# Altium PCB Lighting_Control_Board.PcbDoc (part 2 of 2)
Units mm, origin at the board's own origin, x right, y up, seen from the top; angles counter-clockwise.
Board outline 50 x 150 mm, 4 copper layers (L1, L2, L3, L4), stack 1.586 mm thick; 193 components, 123 nets, 576 pads, 813 vias.
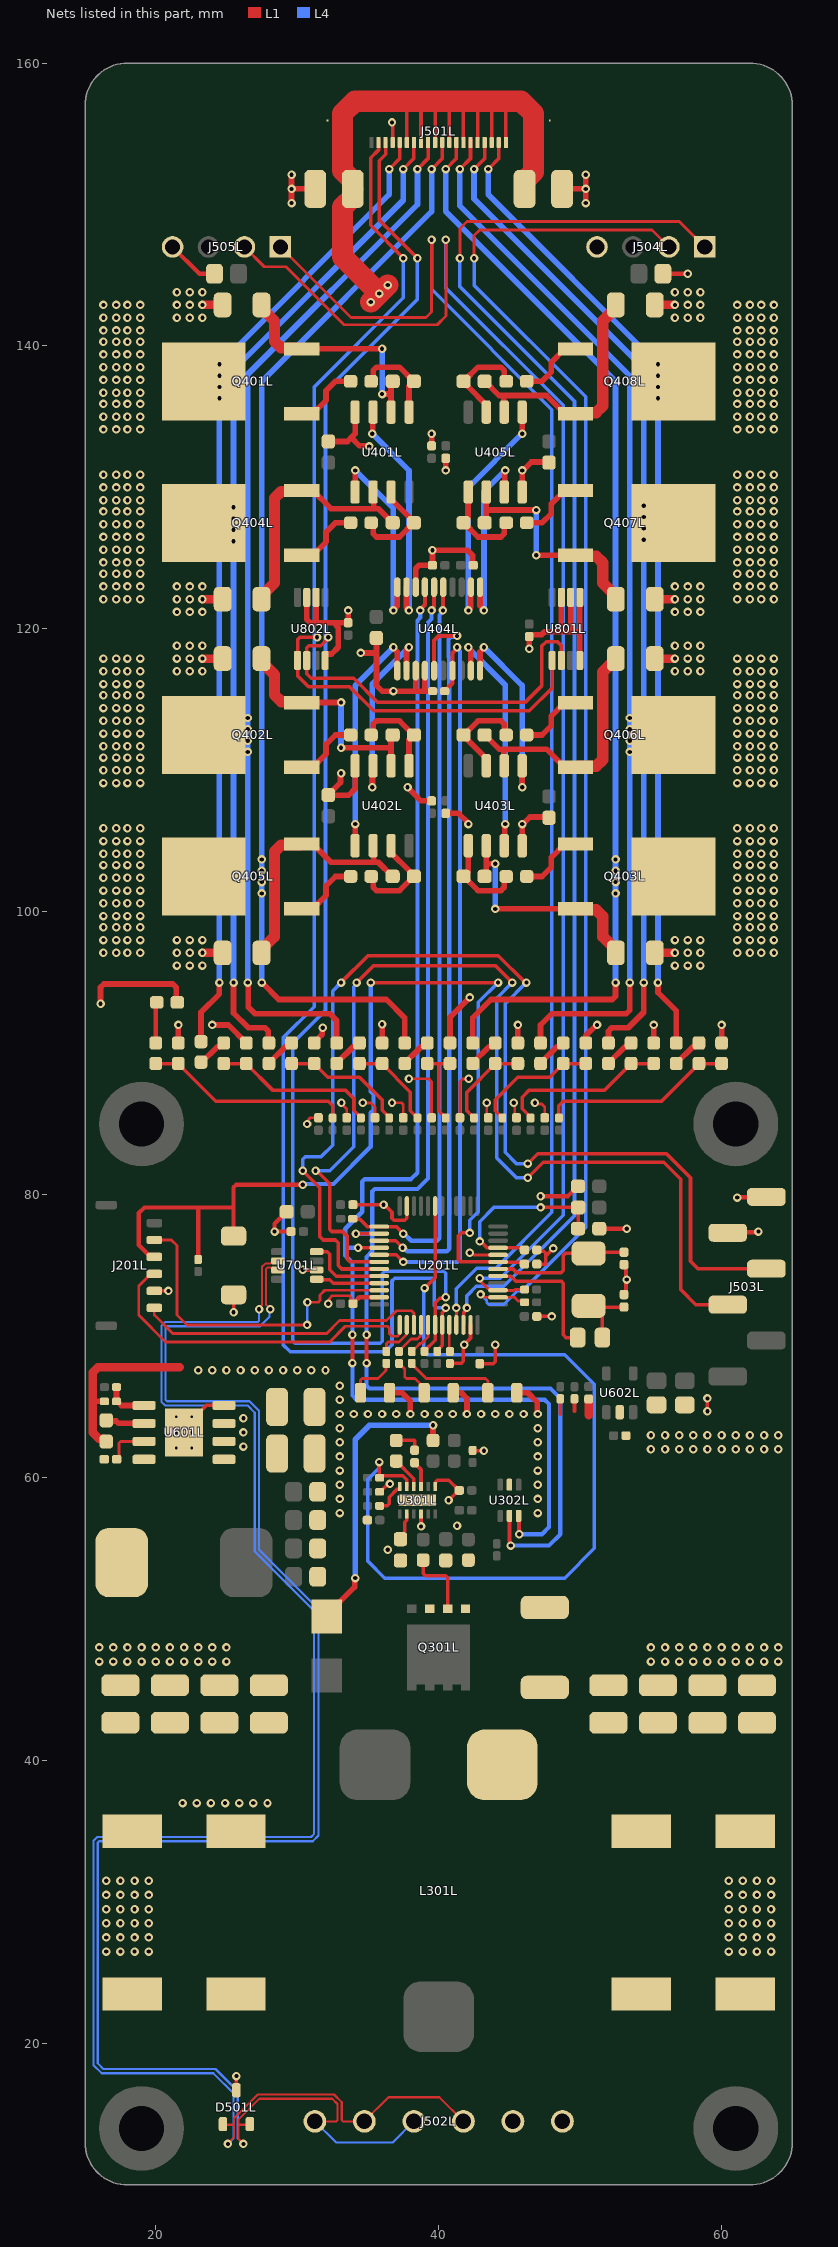
[diagram p4: the nets of this part, all layers, seen from the top]

## Via types
v1: diameter 0.6, hole 0.3, L1 to L4, tented both sides, 807 vias
v2: diameter 0.5, hole 0.2, L1 to L4, 6 vias

## Nets (pads, with @x,y where several pads share a name; then routed paths per layer and width w, separated by ;. In a path a pad name is that pad's centre, name@x,y a point inside that pad or via, vN(x,y) a via of type N, cw(c..) or ccw(c..) an arc to the next point about the centre after c; other vN are vias at no path point) (continued)
Boost_MOSI: U201L.28 U302L.3 U404L.7 | length 90.4
  L1 w0.25: v1(34.3,76.25) U201L.28@35.8,76.25
  L1 w0.3: v1(33.9,68.1) v1(33.9,70.1) ; v1(38.7,121.3) 38.7,121.381 39.025,121.706 U404L.7@39.025,122.95 ; U302L.3@45.65,57.3 45.675,57.275 45.675,56.025 v1(45.7,56)
  L4 w0.3: 33.4,76.254 33.404,76.25 33.6,76.25 ; 33.672,76.25 v1(34.3,76.25) ; v1(33.9,68.1) 33.9,65.8 34.2,65.5 47.5,65.5 47.8,65.2 47.8,56.5 47.3,56 v1(45.7,56) ; v1(33.9,70.1) 33.9,75.2 33.4,75.7 33.4,76.25 33.4,77.6 34.6,78.8 34.6,80.924 34.776,81.1 38.05,81.1 38.5,81.55 38.5,120.6 38.7,120.8 v1(38.7,121.3)
Boost_NMOS_Source: Q301L.1 Q301L.2 Q301L.3 R302L.2 R308L.2 | length 5
  L1 w0.25: R302L.2@38.9,54.175 38.925,54.15 38.925,53.211 39.071,53.065 40.489,53.065 40.635,52.919 Q301L.2@40.635,50.735
Boost_P\G\O\O\D\: R309L.1 U201L.19 U301L.11 | length 63.6
  L1 w0.25: v1(35.8,61.1) 35.813,61.087 35.813,60.1 35.813,60.012 R309L.1@35.825,60 35.954,60.129 37.471,60.129 37.75,59.85 U301L.11@37.75,59.37 ; v1(39,73.4) 39.75,74.15 U201L.19@39.75,79.2
  L4 w0.25: v1(35.8,61.1) 35.8,60.7 35,59.9 35,54.1 36.2,52.9 48.9,52.9 51,55 51,66.6 48.9,68.7 39.2,68.7 38.95,68.95 38.95,73.35 v1(39,73.4)
Boost_RT: R306L.2 U301L.10 | length 2.7
  L1 w0.25: R306L.2@36.725,60.9 R306L.2@37,61.175 ; R306L.2@37,61.15 R306L.2@37,61.175 ; U301L.10@38.25,59.37 38.25,59.925 R306L.2@37,61.175
Boost_SCLK: U201L.26 U302L.2 U404L.6 | length 92.7
  L1 w0.25: v1(34.15,77.25) U201L.26@35.8,77.25
  L1 w0.3: v1(34.9,68.1) v1(34.9,70.1) ; v1(39.5,121.3) 39.5,121.381 39.675,121.556 U404L.6@39.675,122.95 ; U302L.2@45,57.3 45,55.381 45.1,55.281 v1(45.1,55.2)
  L4 w0.3: v1(34.15,77.25) 35.124,77.25 35.3,77.426 ; v1(34.9,68.1) 34.9,66.5 35.1,66.3 47.9,66.3 48.6,65.6 48.6,56 47.8,55.2 v1(45.1,55.2) ; v1(34.9,70.1) 34.9,75.6 35.3,76 35.3,77.426 ; v1(39.5,121.3) 39.5,120.7 39.25,120.45 39.25,81.15 38.5,80.4 35.476,80.4 35.3,80.224 35.3,77.426
Boost_SS: C309L.2 U301L.9 | length 1.9
  L1 w0.25: C309L.2@38.3,61.06 38.3,61.024 38.75,60.574 U301L.9@38.75,59.37
Boost_UVLO: R301L.1 U301L.12 | length 2.4
  L1 w0.25: R301L.1@35.825,58 35.846,58.021 36.354,58.021 36.5,58.168 36.5,58.62 37.05,59.17 37.25,59.17 U301L.12@37.25,59.37
Boost_VCC: C310L.2 U301L.2 | length 2
  L1 w0.25: C310L.2@37.3,55.65 37.581,55.931 37.581,56.152 37.6,56.171 37.6,56.84 37.75,56.99 U301L.2@37.75,57.43
Boost_VSENSE: R211L.1 R311L.1 R313L.2 | length 14.6
  L1 w0.25: R311L.1@20,89.275 R313L.2@21.6,89.275 21.6,89.25 24.25,86.6 32.2,86.6 32.5,86.3 R211L.1@32.5,85.425
Boost_VSENSE_RDIV: R310L.1 R311L.2 | length 2.9
  L1 w0.2: R310L.1@20,93.525 R310L.1@20.075,93.6
  L1 w0.3: R311L.2@20,90.725 R310L.1@20,93.525
CAN_N: D501L.1 J502L.2 J502L.4 U701L.6 | length 124.9
  L1 w0.15: D501L.1@24.738,14.262 25.451,14.262 ; v1(25.1,12.9) 25.1,12.967 25.538,13.405 25.538,14.174 25.451,14.262 ; v1(27.3,71.9) 27.3,72.013 27.5,72.213 27.5,74.886 27.764,75.15 28.13,75.15 28.161,75.181 28.481,75.181 U701L.6@28.625,75.325 ; J502L.4@41.75,14.5 40.05,16.2 36.45,16.2 J502L.2@34.75,14.5 33.238,14.5 33.15,14.588 33.15,15.85 32.6,16.4 27.2,16.4 25.538,14.738 25.538,14.349 25.451,14.262
  L1 w0.2: U701L.6@28.588,75.363 U701L.6@28.625,75.325
  L4 w0.15: v1(25.1,12.9) 25.5,13.3 25.5,16.475 24.075,17.9 16.176,17.9 15.6,18.476 15.6,34.336 15.864,34.6 30.976,34.6 31.2,34.824 31.2,50.576 27,54.776 27,64.6 26.5,65.1 20.664,65.1 20.4,65.364 20.4,70.736 20.664,71 27.212,71 27.3,71.088 v1(27.3,71.9)
CAN_P: D501L.2 J502L.1 J502L.3 U701L.7 | length 123.5
  L1 w0.15: v1(26.2,12.9) 26.2,12.919 25.838,13.281 25.838,14.174 25.926,14.262 ; D501L.2@26.638,14.262 25.926,14.262 ; v1(28.1,71.9) 28.1,71.926 27.8,72.226 27.8,74.762 27.888,74.85 28.13,74.85 28.161,74.819 28.481,74.819 U701L.7@28.625,74.675 ; J502L.1@31.25,14.5 32.762,14.5 32.85,14.588 32.85,15.726 32.476,16.1 27.324,16.1 25.838,14.614 25.838,14.349 25.926,14.262
  L1 w0.2: U701L.7@28.588,74.638 U701L.7@28.625,74.675
  L4 w0.15: v1(26.2,12.9) 25.8,13.3 25.8,16.623 25.465,16.958 24.223,18.2 16.3,18.2 15.9,18.6 15.9,34.212 15.988,34.3 31.1,34.3 31.5,34.7 31.5,50.7 27.3,54.9 27.3,64.724 26.624,65.4 20.788,65.4 20.7,65.488 20.7,70.612 20.788,70.7 27.367,70.7 28.042,71.375 28.042,71.842 v1(28.1,71.9) ; J502L.1@31.25,14.5 32.75,13 36.75,13 J502L.3@38.25,14.5 J502L.3@38.2,14.5
CAN_RX: U201L.32 U701L.4 | length 5.8
  L1 w0.25: U701L.4@31.375,75.975 32.125,75.975 32.3,75.8 32.3,74.7 32.75,74.25 U201L.32@35.8,74.25
CAN_TX: U201L.33 U701L.1 | length 4.5
  L1 w0.25: U701L.1@31.375,74.025 31.4,74 32.3,74 32.55,73.75 U201L.33@35.8,73.75
CC_Control_1: U401L.3 U404L.9 | length 16.7
  L1 w0.4: v1@35.332,133.832 U401L.3@35.332,135.293 ; U404L.9@37.725,122.95 37.725,121.529 v1@37.9,121.354
  L4 w0.4: v1(35.3,133.8) 37.9,131.2 v1(37.9,121.3)
CC_Control_2: U401L.5 U404L.10 | length 14.2
  L1 w0.4: U401L.5@34.098,129.678 v1@34.098,131.197 ; v1@36.8,121.354 37.075,121.629 U404L.10@37.075,122.95
  L4 w0.4: v1(34.1,131.2) 36.8,128.5 v1(36.8,121.3)
CC_Control_3: U402L.3 U404L.12 | length 14.1
  L1 w0.4: v1@35.332,108.833 U402L.3@35.332,110.293 ; U404L.12@37.725,117.05 37.725,118.471 v1@37.9,118.646
  L4 w0.4: v1(35.3,108.8) 35.3,116.1 v1(37.9,118.7)
CC_Control_4: U402L.5 U404L.11 | length 16.8
  L1 w0.4: U402L.5@34.098,104.678 v1@34.098,106.198 ; v1@36.8,118.646 37.075,118.371 U404L.11@37.075,117.05
  L4 w0.4: v1(34.1,106.2) 34.1,116 v1(36.8,118.7)
CC_Control_5: U403L.3 U404L.19 | length 16.8
  L1 w0.4: v1(42.1,118.7) 42.1,118.646 42.275,118.471 U404L.19@42.275,117.05 ; U403L.3@44.668,104.707 v1@44.668,106.168
  L4 w0.4: v1(42.1,118.7) 42.1,118.646 44.7,116.046 v1(44.7,106.2)
CC_Control_6: U403L.5 U404L.20 | length 14.3
  L1 w0.4: U404L.20@42.925,117.05 42.925,118.371 43.2,118.646 v1(43.2,118.7) ; v1@45.902,108.803 U403L.5@45.902,110.322
  L4 w0.4: v1(43.2,118.7) 45.9,116 v1(45.9,108.8)
CC_Control_7: U404L.1 U405L.3 | length 13.8
  L1 w0.4: U404L.1@42.925,122.95 42.925,121.629 43.2,121.354 v1(43.2,121.3) ; U405L.3@44.635,129.675 44.668,129.707 44.668,131.167 v1(44.7,131.2)
  L4 w0.4: v1(43.2,121.3) 43.2,129.7 v1(44.7,131.2)
CC_Control_8: U404L.2 U405L.5 | length 17.3
  L1 w0.4: v1(42.1,121.3) 42.1,121.354 42.275,121.529 U404L.2@42.275,122.95 ; v1(45.9,133.8) 45.902,133.802 45.902,135.322 U405L.5@45.905,135.325
  L4 w0.4: v1(42.1,121.3) 42.1,130 v1(45.9,133.8)
CC_DRAIN_1: J501L.16 Q401L.2 R401L.2 | length 69.7
  L1 w0.25: v1(36.5,152.5) 37.25,153.25 J501L.16@37.25,154.6
  L1 w0.4: R401L.2@23.2,90.725 23.2,92.9 24.5,94.2 v1(24.5,95)
  L4 w0.4: v1(24.5,95) v1(24.5,136.3) v1(24.5,137.1) v1(24.5,137.9) v1(24.5,138.7) 36.5,150.7 v1(36.5,152.5)
  other v1: 16.3,134.1 17.2,134.1 18,134.1 18.9,134.1 16.3,135 17.2,135 18,135 18.9,135 16.3,135.9 17.2,135.9 18,135.9 18.9,135.9 16.3,136.7 17.2,136.7 18,136.7 18.9,136.7 16.3,137.6 17.2,137.6 18,137.6 18.9,137.6 16.3,138.5 17.2,138.5 18,138.5 18.9,138.5 16.3,139.4 17.2,139.4 18,139.4 18.9,139.4 16.3,140.3 17.2,140.3 18,140.3 18.9,140.3 16.3,141.1 17.2,141.1 18,141.1 18.9,141.1 16.3,142 17.2,142 18,142 18.9,142 16.3,142.9 17.2,142.9 18,142.9 18.9,142.9
CC_DRAIN_2: J501L.14 Q404L.2 R416L.2 | length 70.9
  L1 w0.25: v1(37.5,152.5) 38.25,153.25 J501L.14@38.25,154.6
  L1 w0.4: v1(25.5,95) 25.5,92.85 26.55,91.8 27.715,91.8 27.949,91.566 27.949,90.776 R416L.2@28,90.725
  L4 w0.4: v1(25.5,95) v1(25.5,126.2) v1(25.5,127) v1(25.5,127.8) v1(25.5,128.6) 25.5,138.3 37.5,150.3 v1(37.5,152.5)
  other v1: 16.3,122.1 17.2,122.1 18,122.1 18.9,122.1 16.3,123 17.2,123 18,123 18.9,123 16.3,123.9 17.2,123.9 18,123.9 18.9,123.9 16.3,124.7 17.2,124.7 18,124.7 18.9,124.7 16.3,125.6 17.2,125.6 18,125.6 18.9,125.6 16.3,126.5 17.2,126.5 18,126.5 18.9,126.5 16.3,127.4 17.2,127.4 18,127.4 18.9,127.4 16.3,128.3 17.2,128.3 18,128.3 18.9,128.3 16.3,129.1 17.2,129.1 18,129.1 18.9,129.1 16.3,130 17.2,130 18,130 18.9,130 16.3,130.9 17.2,130.9 18,130.9 18.9,130.9
CC_DRAIN_3: J501L.12 Q402L.2 R402L.2 | length 74.9
  L1 w0.25: v1(38.5,152.5) 39.25,153.25 J501L.12@39.25,154.6
  L1 w0.4: v1(26.5,95) 26.538,94.962 26.538,93.262 27,92.8 32.3,92.8 32.8,92.3 R402L.2@32.8,90.725
  L4 w0.4: v1(26.5,95) v1(26.5,111.3) v1(26.5,112.1) v1(26.5,112.9) v1(26.5,113.7) 26.5,138 38.5,150 v1(38.5,152.5)
  other v1: 16.3,109.1 17.2,109.1 18,109.1 18.9,109.1 16.3,110 17.2,110 18,110 18.9,110 16.3,110.9 17.2,110.9 18,110.9 18.9,110.9 16.3,111.7 17.2,111.7 18,111.7 18.9,111.7 16.3,112.6 17.2,112.6 18,112.6 18.9,112.6 16.3,113.5 17.2,113.5 18,113.5 18.9,113.5 16.3,114.4 17.2,114.4 18,114.4 18.9,114.4 16.3,115.3 17.2,115.3 18,115.3 18.9,115.3 16.3,116.1 17.2,116.1 18,116.1 18.9,116.1 16.3,117 17.2,117 18,117 18.9,117 16.3,117.9 17.2,117.9 18,117.9 18.9,117.9
CC_DRAIN_4: J501L.10 Q405L.2 R417L.2 | length 77.8
  L1 w0.25: v1(39.5,152.5) 40.25,153.25 J501L.10@40.25,154.6
  L1 w0.4: v1(27.5,95) 28.7,93.8 36.3,93.8 37.6,92.5 R417L.2@37.6,90.725
  L4 w0.4: v1(27.5,95) v1(27.5,101.3) v1(27.5,102.1) v1(27.5,102.9) v1(27.5,103.7) 27.5,137.5 39.5,149.5 v1(39.5,152.5)
  other v1: 16.3,97.1 17.2,97.1 18,97.1 18.9,97.1 16.3,98 17.2,98 18,98 18.9,98 16.3,98.9 17.2,98.9 18,98.9 18.9,98.9 16.3,99.7 17.2,99.7 18,99.7 18.9,99.7 16.3,100.6 17.2,100.6 18,100.6 18.9,100.6 16.3,101.5 17.2,101.5 18,101.5 18.9,101.5 16.3,102.4 17.2,102.4 18,102.4 18.9,102.4 16.3,103.3 17.2,103.3 18,103.3 18.9,103.3 16.3,104.1 17.2,104.1 18,104.1 18.9,104.1 16.3,105 17.2,105 18,105 18.9,105 16.3,105.9 17.2,105.9 18,105.9 18.9,105.9
CC_DRAIN_5: J501L.8 Q403L.2 R403L.2 | length 78.4
  L1 w0.25: v1(40.5,152.5) 41.25,153.25 J501L.8@41.25,154.6
  L1 w0.4: R403L.2@42.4,90.725 42.4,92.5 43.7,93.8 52.266,93.8 52.5,94.034 v1(52.5,95)
  L4 w0.4: v1(40.5,152.5) 40.5,149.5 52.5,137.5 v1(52.5,103.7) v1(52.5,102.9) v1(52.5,102.1) v1(52.5,101.3) v1(52.5,95)
  other v1: 61.1,97.1 62,97.1 62.8,97.1 63.7,97.1 61.1,98 62,98 62.8,98 63.7,98 61.1,98.9 62,98.9 62.8,98.9 63.7,98.9 61.1,99.7 62,99.7 62.8,99.7 63.7,99.7 61.1,100.6 62,100.6 62.8,100.6 63.7,100.6 61.1,101.5 62,101.5 62.8,101.5 63.7,101.5 61.1,102.4 62,102.4 62.8,102.4 63.7,102.4 61.1,103.3 62,103.3 62.8,103.3 63.7,103.3 61.1,104.1 62,104.1 62.8,104.1 63.7,104.1 61.1,105 62,105 62.8,105 63.7,105 61.1,105.9 62,105.9 62.8,105.9 63.7,105.9
CC_DRAIN_6: J501L.6 Q406L.2 R418L.2 | length 74.9
  L1 w0.25: v1(41.5,152.5) 42.25,153.25 J501L.6@42.25,154.6
  L1 w0.4: R418L.2@47.2,90.725 47.2,92 48,92.8 53.266,92.8 53.5,93.034 v1(53.5,95)
  L4 w0.4: v1(41.5,152.5) 41.5,149.9 53.5,137.9 v1(53.5,113.7) v1(53.5,112.9) v1(53.5,112.1) v1(53.5,111.3) v1(53.5,95)
  other v1: 61.1,109.1 62,109.1 62.8,109.1 63.7,109.1 61.1,110 62,110 62.8,110 63.7,110 61.1,110.9 62,110.9 62.8,110.9 63.7,110.9 61.1,111.7 62,111.7 62.8,111.7 63.7,111.7 61.1,112.6 62,112.6 62.8,112.6 63.7,112.6 61.1,113.5 62,113.5 62.8,113.5 63.7,113.5 61.1,114.4 62,114.4 62.8,114.4 63.7,114.4 61.1,115.3 62,115.3 62.8,115.3 63.7,115.3 61.1,116.1 62,116.1 62.8,116.1 63.7,116.1 61.1,117 62,117 62.8,117 63.7,117 61.1,117.9 62,117.9 62.8,117.9 63.7,117.9
CC_DRAIN_7: J501L.4 Q407L.2 R432L.2 | length 70.9
  L1 w0.25: v1(42.5,152.5) 43.25,153.25 J501L.4@43.25,154.6
  L1 w0.4: R432L.2@52,90.725 52,91.566 52.234,91.8 53.4,91.8 54.5,92.9 v1(54.5,95)
  L4 w0.4: v1(42.5,152.5) 42.5,150.4 54.5,138.4 v1(54.5,128.7) v1(54.5,127.9) v1(54.5,127.1) v1(54.5,126.3) v1(54.5,95)
  other v1: 61.1,122.1 62,122.1 62.8,122.1 63.7,122.1 61.1,123 62,123 62.8,123 63.7,123 61.1,123.9 62,123.9 62.8,123.9 63.7,123.9 61.1,124.7 62,124.7 62.8,124.7 63.7,124.7 61.1,125.6 62,125.6 62.8,125.6 63.7,125.6 61.1,126.5 62,126.5 62.8,126.5 63.7,126.5 61.1,127.4 62,127.4 62.8,127.4 63.7,127.4 61.1,128.3 62,128.3 62.8,128.3 63.7,128.3 61.1,129.1 62,129.1 62.8,129.1 63.7,129.1 61.1,130 62,130 62.8,130 63.7,130 61.1,130.9 62,130.9 62.8,130.9 63.7,130.9
CC_DRAIN_8: J501L.2 Q408L.2 R433L.2 | length 69.7
  L1 w0.25: v1(43.5,152.5) 44.25,153.25 J501L.2@44.25,154.6
  L1 w0.4: v1(55.5,95) 55.5,94.3 56.8,93 R433L.2@56.8,90.725
  L4 w0.4: v1(43.5,152.5) 43.5,150.7 v1(55.5,138.7) v1(55.5,137.9) v1(55.5,137.1) v1(55.5,136.3) v1(55.5,95)
  other v1: 61.1,134.1 62,134.1 62.8,134.1 63.7,134.1 61.1,135 62,135 62.8,135 63.7,135 61.1,135.9 62,135.9 62.8,135.9 63.7,135.9 61.1,136.7 62,136.7 62.8,136.7 63.7,136.7 61.1,137.6 62,137.6 62.8,137.6 63.7,137.6 61.1,138.5 62,138.5 62.8,138.5 63.7,138.5 61.1,139.4 62,139.4 62.8,139.4 63.7,139.4 61.1,140.3 62,140.3 62.8,140.3 63.7,140.3 61.1,141.1 62,141.1 62.8,141.1 63.7,141.1 61.1,142 62,142 62.8,142 63.7,142 61.1,142.9 62,142.9 62.8,142.9 63.7,142.9
CC_G_1: Q401L.1 R404L.2 | length 4.8
  L1 w0.4: Q401L.1@30.321,135.214 31.096,135.214 32.033,136.151 32.033,136.833 32.7,137.5 R404L.2@33.775,137.5
CC_G_2: Q404L.1 R419L.2 | length 4.8
  L1 w0.4: Q404L.1@30.321,125.214 31.096,125.214 32.033,126.151 32.033,126.833 32.7,127.5 R419L.2@33.775,127.5
CC_G_3: Q402L.1 R405L.2 | length 4.8
  L1 w0.4: Q402L.1@30.321,110.214 31.096,110.214 32.033,111.151 32.033,111.833 32.7,112.5 R405L.2@33.775,112.5
CC_G_4: Q405L.1 R420L.2 | length 4.8
  L1 w0.4: Q405L.1@30.321,100.214 31.096,100.214 32.033,101.151 32.033,101.833 32.7,102.5 R420L.2@33.775,102.5
CC_G_5: Q403L.1 R406L.2 | length 4.8
  L1 w0.4: R406L.2@46.225,102.5 47.3,102.5 47.967,103.167 47.967,103.849 48.904,104.786 Q403L.1@49.679,104.786
CC_G_6: Q406L.1 R421L.2 | length 4.8
  L1 w0.4: R421L.2@46.225,112.5 47.3,112.5 47.967,113.167 47.967,113.849 48.904,114.786 Q406L.1@49.679,114.786
CC_G_7: Q407L.1 R434L.2 | length 4.8
  L1 w0.4: R434L.2@46.225,127.5 47.3,127.5 47.967,128.167 47.967,128.849 48.904,129.786 Q407L.1@49.679,129.786
CC_G_8: Q408L.1 R435L.2 | length 4.8
  L1 w0.4: R435L.2@46.225,137.5 47.3,137.5 47.967,138.167 47.967,138.849 48.904,139.786 Q408L.1@49.679,139.786
CC_HV_RDIV_1: R401L.1 R407L.2 | length 2.2
  L1 w0.4: R401L.1@23.2,89.275 23.2,89.3 24.365,90.465 24.552,90.465 24.8,90.714 R407L.2@24.8,90.725
CC_HV_RDIV_2: R416L.1 R422L.2 | length 2.2
  L1 w0.4: R416L.1@28,89.275 28,89.3 29.165,90.465 29.352,90.465 29.6,90.714 R422L.2@29.6,90.725
CC_HV_RDIV_3: R402L.1 R408L.2 | length 2.2
  L1 w0.4: R402L.1@32.8,89.275 32.8,89.3 33.965,90.465 34.152,90.465 34.4,90.714 R408L.2@34.4,90.725
CC_HV_RDIV_4: R417L.1 R423L.2 | length 2.2
  L1 w0.4: R417L.1@37.6,89.275 37.6,89.3 38.765,90.465 38.952,90.465 39.2,90.714 R423L.2@39.2,90.725
CC_HV_RDIV_5: R403L.1 R409L.2 | length 2.2
  L1 w0.4: R403L.1@42.4,89.275 42.4,89.3 43.565,90.465 43.752,90.465 44,90.714 R409L.2@44,90.725
CC_HV_RDIV_6: R418L.1 R424L.2 | length 2.2
  L1 w0.4: R418L.1@47.2,89.275 47.2,89.3 48.365,90.465 48.552,90.465 48.8,90.714 R424L.2@48.8,90.725
CC_HV_RDIV_7: R432L.1 R436L.2 | length 2.2
  L1 w0.4: R432L.1@52,89.275 52,89.3 53.165,90.465 53.352,90.465 53.6,90.714 R436L.2@53.6,90.725
CC_HV_RDIV_8: R433L.1 R437L.2 | length 2.2
  L1 w0.4: R433L.1@56.8,89.275 56.8,89.3 57.965,90.465 58.152,90.465 58.4,90.714 R437L.2@58.4,90.725
CC_INV_1: C401L.1 Q401L.3 R410L.2 U401L.2 | length 16.9
  L1 w0.25: C401L.1@36.635,137.385 C401L.1@36.75,137.5
  L1 w0.4: Q401L.3@30.328,139.793 35.993,139.793 v1(36,139.8) ; v1(36,136.6) 36.635,136.6 ; U401L.2@36.635,135.325 36.635,136.6 ; C401L.1@36.635,137.385 36.635,136.6
  L1 w0.8: R410L.2@27.475,142.9 27.475,142.65 27.7,142.425 27.731,142.425 28.4,141.756 28.4,140.325 28.869,139.856 30.265,139.856 Q401L.3@30.328,139.793
  L4 w0.4: v1(36,136.6) v1(36,139.8)
CC_INV_2: C410L.1 Q404L.3 R425L.2 U401L.6 | length 18.3
  L1 w0.4: Q404L.3@30.321,129.786 31.096,129.786 32.382,128.5 35.4,128.5 ; U401L.6@35.365,129.675 35.4,129.64 35.4,128.5 ; C410L.1@36.75,127.5 36.725,127.5 35.725,128.5 35.4,128.5
  L1 w0.8: R425L.2@27.475,122.1 27.475,122.35 27.7,122.575 27.731,122.575 28.4,123.244 28.4,129.247 28.869,129.716 30.251,129.716 Q404L.3@30.321,129.786
CC_INV_3: C402L.1 Q402L.3 R412L.2 U402L.2 | length 16.9
  L1 w0.25: C402L.1@36.635,112.385 C402L.1@36.75,112.5
  L1 w0.4: Q402L.3@30.321,114.786 30.328,114.793 33.093,114.793 v1(33.1,114.8) ; v1(33.1,111.6) 36.635,111.6 ; U402L.2@36.635,110.325 36.635,111.6 ; C402L.1@36.635,112.385 36.635,111.6
  L1 w0.8: R412L.2@27.475,117.9 27.475,117.65 27.7,117.425 27.731,117.425 28.4,116.756 28.4,115.325 28.869,114.856 30.251,114.856 Q402L.3@30.321,114.786
  L4 w0.4: v1(33.1,111.6) v1(33.1,114.8)
CC_INV_4: C411L.1 Q405L.3 R427L.2 U402L.6 | length 18.3
  L1 w0.4: Q405L.3@30.321,104.786 31.096,104.786 32.382,103.5 35.4,103.5 ; U402L.6@35.365,104.675 35.4,104.64 35.4,103.5 ; C411L.1@36.75,102.5 36.725,102.5 35.725,103.5 35.4,103.5
  L1 w0.8: R427L.2@27.475,97.1 27.475,97.35 27.7,97.575 27.731,97.575 28.4,98.244 28.4,104.247 28.869,104.716 30.251,104.716 Q405L.3@30.321,104.786
CC_INV_5: C403L.1 Q403L.3 R414L.2 U403L.2 | length 16.9
  L1 w0.25: C403L.1@43.25,102.5 C403L.1@43.365,102.615
  L1 w0.4: C403L.1@43.365,102.615 43.365,103.4 ; U403L.2@43.365,104.675 43.365,103.4 ; v1(44,100.2) 44.007,100.207 Q403L.3@49.672,100.207 ; v1(44,103.4) 43.365,103.4
  L1 w0.8: Q403L.3@49.672,100.207 49.735,100.144 51.131,100.144 51.6,99.675 51.6,98.244 52.269,97.575 52.3,97.575 52.525,97.35 R414L.2@52.525,97.1
  L4 w0.4: v1(44,100.2) v1(44,103.4)
CC_INV_6: C412L.1 Q406L.3 R429L.2 U403L.6 | length 18.4
  L1 w0.4: C412L.1@43.25,112.5 43.275,112.5 44.275,111.5 44.6,111.5 ; U403L.6@44.635,110.325 44.6,110.36 44.6,111.5 ; Q406L.3@49.679,110.214 48.904,110.214 47.618,111.5 44.6,111.5
  L1 w0.8: Q406L.3@49.679,110.214 49.749,110.284 51.131,110.284 51.6,110.753 51.6,116.956 52.069,117.425 52.3,117.425 52.525,117.65 R429L.2@52.525,117.9
CC_INV_7: C413L.1 Q407L.3 R439L.2 U405L.2 | length 16.9
  L1 w0.25: C413L.1@43.25,127.5 C413L.1@43.365,127.615
  L1 w0.4: C413L.1@43.365,127.615 43.365,128.4 ; U405L.2@43.365,129.675 43.365,128.4 ; v1(46.9,125.2) 46.907,125.207 Q407L.3@49.672,125.207 ; v1(46.9,128.4) 43.365,128.4
  L1 w0.8: Q407L.3@49.672,125.207 49.735,125.144 51.131,125.144 51.6,124.675 51.6,123.244 52.269,122.575 52.3,122.575 52.525,122.35 R439L.2@52.525,122.1
  L4 w0.4: v1(46.9,125.2) v1(46.9,128.4)
CC_INV_8: C414L.1 Q408L.3 R441L.2 U405L.6 | length 18.3
  L1 w0.4: C414L.1@43.25,137.5 43.275,137.5 44.275,136.5 44.6,136.5 ; U405L.6@44.635,135.325 44.6,135.36 44.6,136.5 ; Q408L.3@49.679,135.214 48.904,135.214 47.618,136.5 44.6,136.5
  L1 w0.8: Q408L.3@49.679,135.214 49.749,135.284 51.131,135.284 51.6,135.753 51.6,141.756 52.269,142.425 52.3,142.425 52.525,142.65 R441L.2@52.525,142.9
CC_O_1: C401L.2 R404L.1 U401L.1 | length 6.5
  L1 w0.4: R404L.1@35.225,137.5 35.366,137.641 35.366,138.266 35.6,138.5 37.225,138.5 38.225,137.5 C401L.2@38.25,137.5 38.245,137.5 37.905,137.16 U401L.1@37.905,135.325
CC_O_2: C410L.2 R419L.1 U401L.7 | length 7.1
  L1 w0.4: R419L.1@35.225,127.5 35.366,127.359 35.366,126.734 35.6,126.5 37.225,126.5 38.225,127.5 C410L.2@38.25,127.5 38.245,127.5 37.973,127.772 37.973,127.837 36.635,129.175 U401L.7@36.635,129.675
CC_O_3: C402L.2 R405L.1 U402L.1 | length 6.5
  L1 w0.4: R405L.1@35.225,112.5 35.366,112.641 35.366,113.266 35.6,113.5 37.225,113.5 38.225,112.5 C402L.2@38.25,112.5 38.245,112.5 37.905,112.16 U402L.1@37.905,110.325
CC_O_4: C411L.2 R420L.1 U402L.7 | length 7.1
  L1 w0.4: R420L.1@35.225,102.5 35.366,102.359 35.366,101.734 35.6,101.5 37.225,101.5 38.225,102.5 C411L.2@38.25,102.5 38.245,102.5 37.973,102.772 37.973,102.837 36.635,104.175 U402L.7@36.635,104.675
CC_O_5: C403L.2 R406L.1 U403L.1 | length 6.5
  L1 w0.4: C403L.2@41.75,102.5 41.775,102.5 42.775,101.5 44.4,101.5 44.634,101.734 44.634,102.359 R406L.1@44.775,102.5 ; C403L.2@41.755,102.5 42.095,102.84 U403L.1@42.095,104.675
CC_O_6: C412L.2 R421L.1 U403L.7 | length 7
  L1 w0.4: C412L.2@41.75,112.5 41.755,112.5 42.027,112.228 42.027,112.163 43.365,110.825 U403L.7@43.365,110.325 ; C412L.2@41.775,112.5 42.775,113.5 44.4,113.5 44.634,113.266 44.634,112.641 R421L.1@44.775,112.5
CC_O_7: C413L.2 R434L.1 U405L.1 | length 6.5
  L1 w0.4: C413L.2@41.75,127.5 41.775,127.5 42.775,126.5 44.4,126.5 44.634,126.734 44.634,127.359 R434L.1@44.775,127.5 ; C413L.2@41.755,127.5 42.095,127.84 U405L.1@42.095,129.675
CC_O_8: C414L.2 R435L.1 U405L.7 | length 7
  L1 w0.4: C414L.2@41.75,137.5 41.755,137.5 42.027,137.228 42.027,137.163 43.365,135.825 U405L.7@43.365,135.325 ; C414L.2@41.775,137.5 42.775,138.5 44.4,138.5 44.634,138.266 44.634,137.641 R435L.1@44.775,137.5
CC_VSENSE_1: R210L.1 R407L.1 R411L.2 | length 11.8
  L1 w0.25: R407L.1@24.8,89.275 R411L.2@26.4,89.275 26.4,89.25 28.25,87.4 33.4,87.4 34,86.8 34,85.975 34.5,85.475 R210L.1@34.5,85.425
CC_VSENSE_2: R209L.1 R422L.1 R426L.2 | length 9
  L1 w0.25: R422L.1@29.6,89.275 R426L.2@31.2,89.275 31.2,89.25 32.15,88.3 34.4,88.3 36,86.7 36,85.975 36.5,85.475 R209L.1@36.5,85.425
CC_VSENSE_3: R206L.1 R408L.1 R413L.2 | length 6.5
  L1 w0.25: R408L.1@34.4,89.275 R413L.2@36,89.275 36,89.25 38,87.25 38,85.925 38.275,85.65 38.305,85.65 38.5,85.455 R206L.1@38.5,85.425
CC_VSENSE_4: R205L.1 R423L.1 R428L.2 | length 5.7
  L1 w0.25: R423L.1@39.2,89.275 40,89.275 ; R205L.1@40.5,85.425 40.5,85.455 40.305,85.65 40.275,85.65 40,85.925 40,89.275 ; R428L.2@40.8,89.275 40,89.275
CC_VSENSE_5: R204L.1 R409L.1 R415L.2 | length 6.5
  L1 w0.25: R204L.1@42.5,85.425 42.5,85.455 42.305,85.65 42.275,85.65 42,85.925 42,87.25 44,89.25 R409L.1@44,89.275 R415L.2@45.6,89.275
CC_VSENSE_6: R203L.1 R424L.1 R430L.2 | length 9
  L1 w0.25: R203L.1@44.5,85.425 44,85.925 44,86.7 45.6,88.3 47.85,88.3 48.8,89.25 R424L.1@48.8,89.275 R430L.2@50.4,89.275
CC_VSENSE_7: R202L.1 R436L.1 R440L.2 | length 12
  L1 w0.25: R202L.1@46.5,85.425 46.5,85.475 45.9,86.075 45.9,86.9 46.4,87.4 51.75,87.4 53.6,89.25 R436L.1@53.6,89.275 R440L.2@55.2,89.275